# Altium PCB GN-1876-HI3519AV100_V1.PCBDOC (part 5 of 6)
Units mil, origin at the board's own origin, x right, y up, seen from the top; angles counter-clockwise.
Board outline 3755 x 2651.95 mil, 4 copper layers (Top Layer, Mid-Layer 1, Mid-Layer 2, Bottom Layer); 463 components, 378 nets, 2062 pads, 1225 vias.
Unrouted connection lines stored in the file: 13.
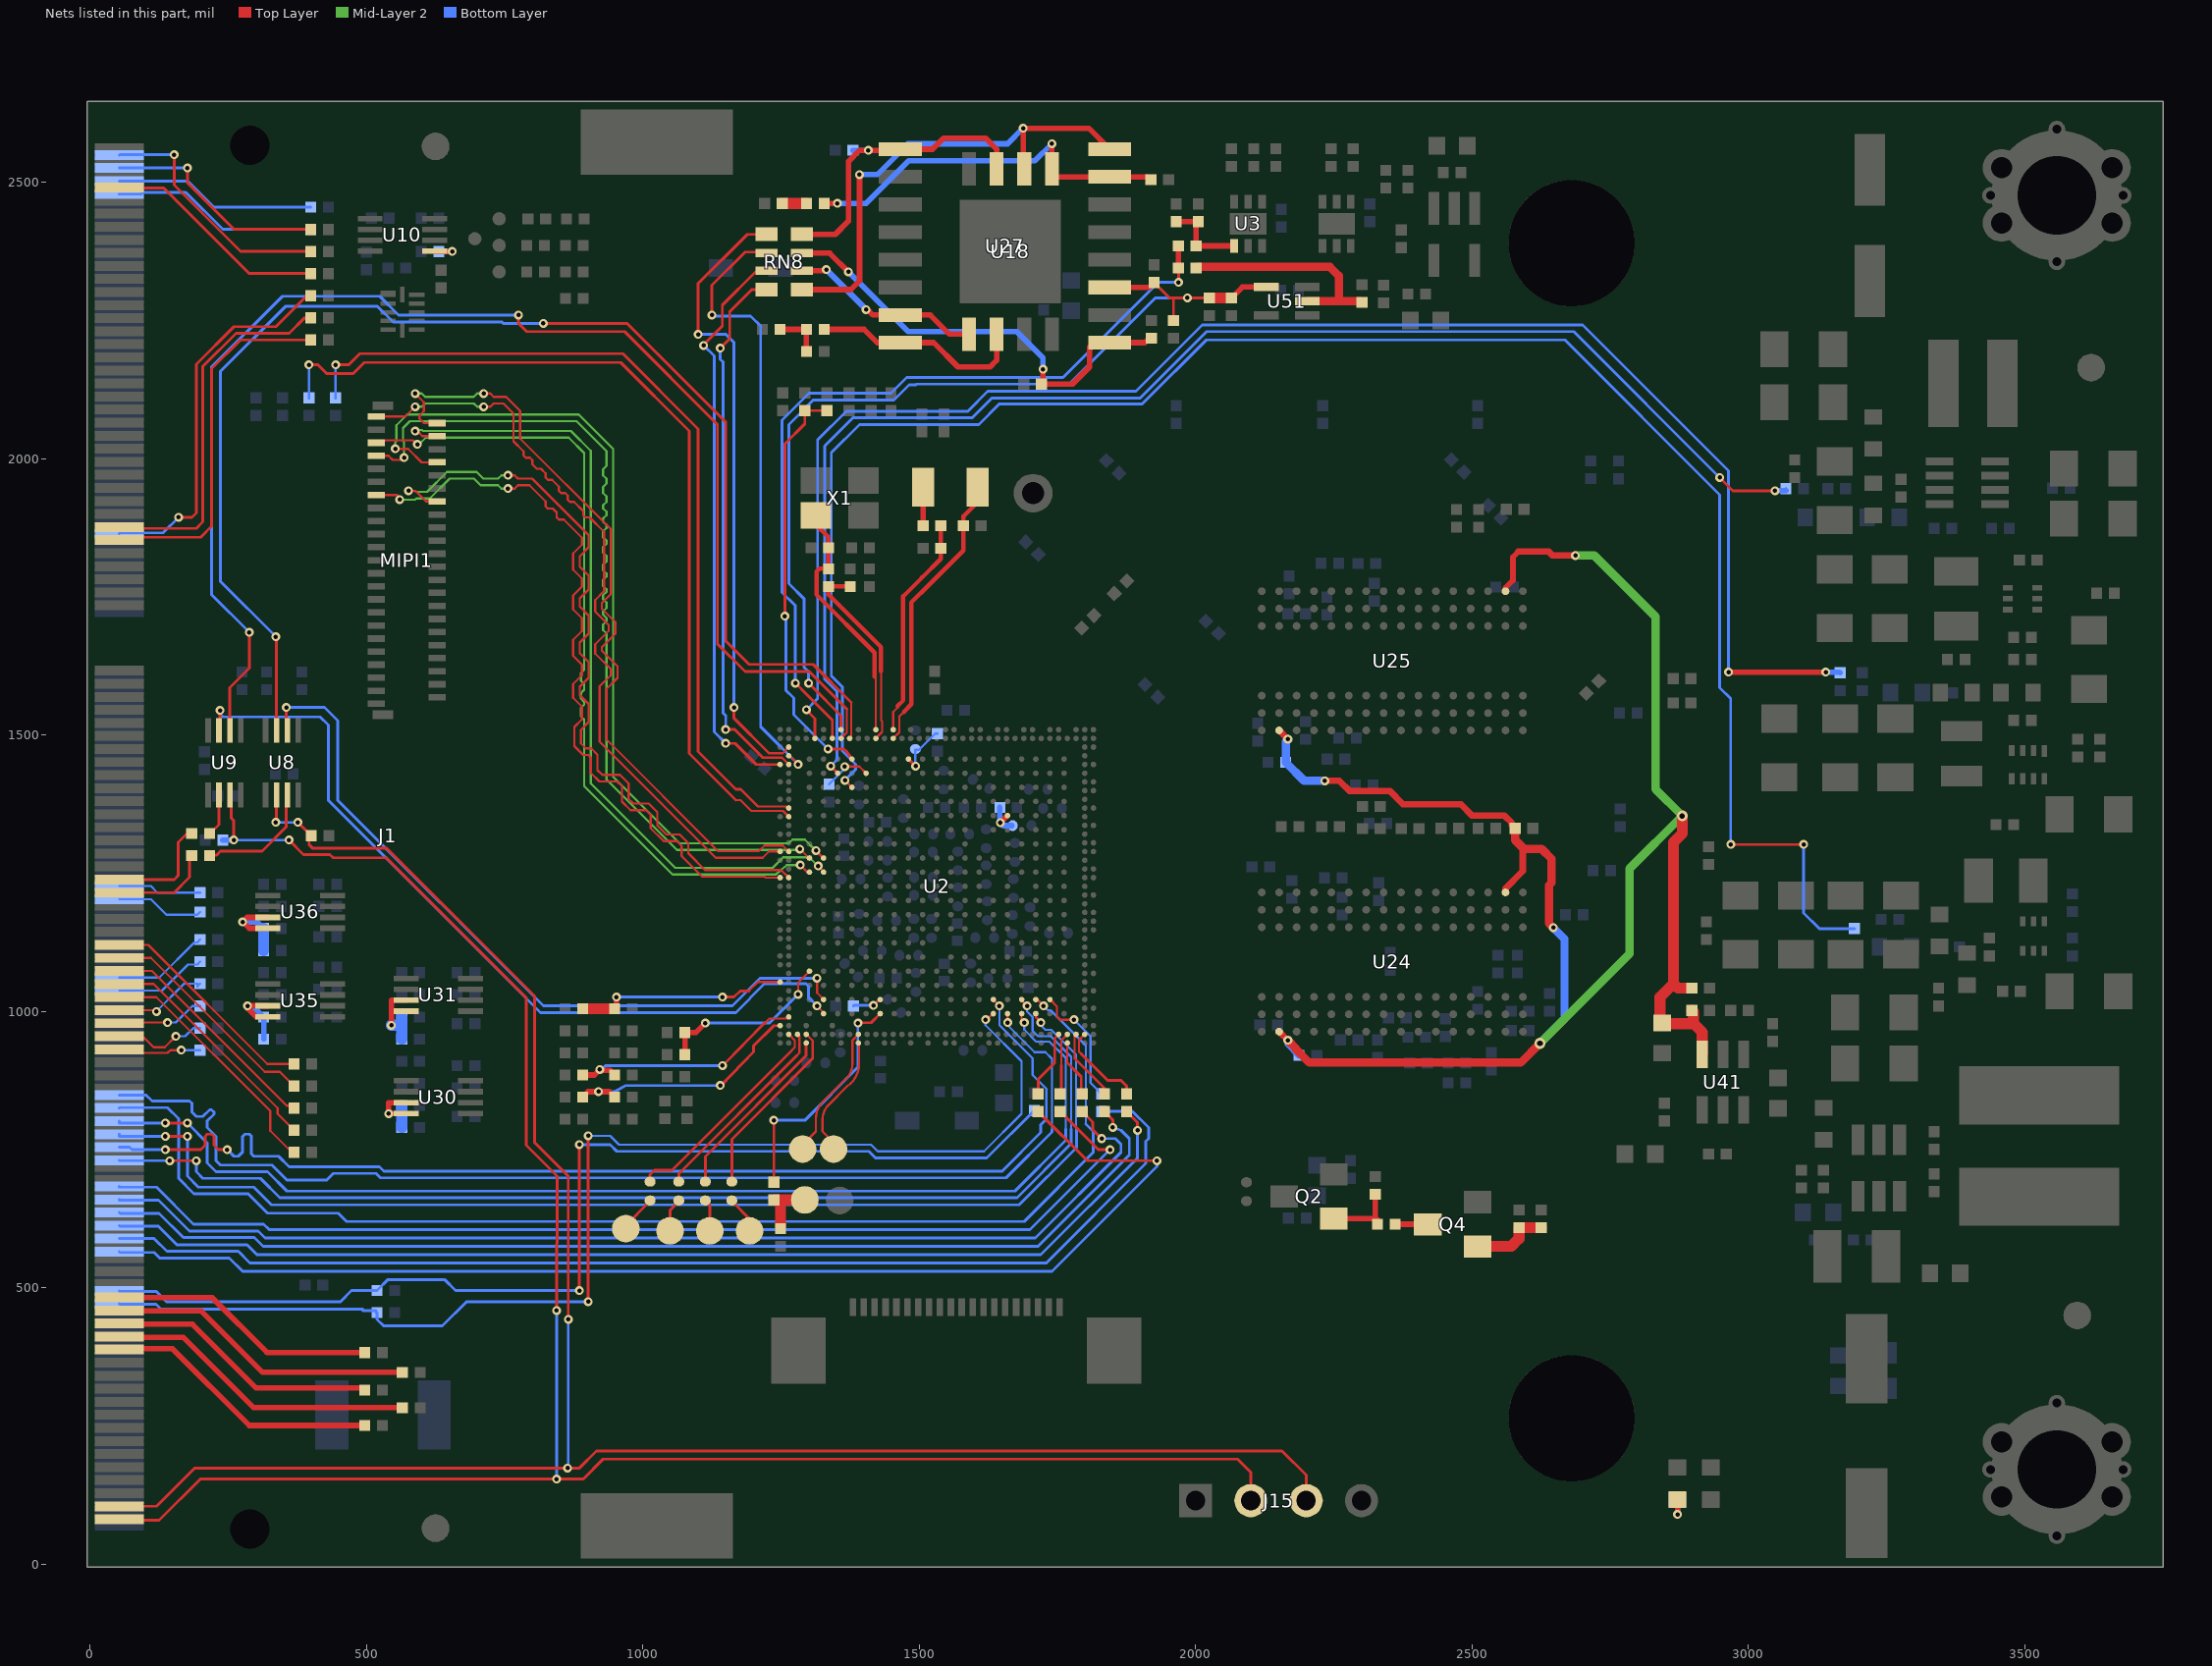
[diagram p7: the nets of this part, all layers, seen from the top]

## Via types
v1: diameter 16, hole 8, Top Layer to Bottom Layer, 733 vias
v2: diameter 20, hole 10, Top Layer to Bottom Layer, 362 vias
v3: diameter 18, hole 8, Top Layer to Bottom Layer, 100 vias
v4: diameter 36, hole 16, Top Layer to Bottom Layer, 30 vias

## Nets (pads, with @x,y where several pads share a name; then routed paths per layer and width w, separated by ;. In a path a pad name is that pad's centre, name@x,y a point inside that pad or via, vN(x,y) a via of type N, cw(c..) or ccw(c..) an arc to the next point about the centre after c; other vN are vias at no path point) (continued)
M2_D0M: MIPI1.41 U2.1W9 | length 1500.7
  Top Layer w4: MIPI1.41@517.67,2029.16 528.99,2029.16 533.49,2033.66 584,2033.66 591.5,2026.16 v1(592,2026.16) ; v1(1285,1265) 1297.91,1252.09 U2.1W9@1301.38,1252.09
  Mid-Layer 2 w4: v1(592,2026.16) 595.6,2026.76 607.3,2038.46 866,2038.46 894,2010.46 894,1618.16 888,1612.16 888,1598.16 894,1592.16 894,1582.16 888,1576.16 888,1566.16 894,1560.16 894,1555.16 888,1549.16 888,1534.16 894,1528.16 894,1407.67 1053.51,1248.16 1241,1248.16 1260,1265 v1(1285,1265)
M2_D0P: MIPI1.42 U2.1V9 | length 1496.6
  Top Layer w4: v1(588,2050.16) 582.34,2053.08 591,2046.16 595.8,2046.16 600.99,2040.97 MIPI1.42@627.91,2040.97 ; v1(1317,1263.16) 1326.97,1253.19 U2.1V9@1326.97,1252.09
  Mid-Layer 2 w4: v1(588,2050.16) 588.52,2050.61 590.06,2052.16 600,2052.16 600.8,2051.58 601.93,2050.46 870,2050.46 906,2014.46 906,1412.64 1058.49,1260.16 1235,1260.16 1254,1279.16 1301,1279.16 v1(1317,1263.16)
M2_D1M: MIPI1.44 U2.AT15 | length 1430
  Top Layer w4: v1(588,2118.16) 604,2102.16 604,2086.16 596,2078.16 596,2072.59 604,2064.59 MIPI1.44@627.91,2064.59 ; v1(712,2118.16) 724,2118.16 730,2112.16 752.49,2112.16 778,2086.64 778,2036.64 942,1872.64 942,1755.67 926,1739.67 926,1728.64 950,1704.64 950,1683.67 926,1659.67 926,1652.64 954,1624.64 954,1603.67 934,1583.67 934,1492.16 1136,1290.16 1209.7,1290.16 1220,1300.46 1253,1300.46 U2.AT15@1263.97,1289.49
  Mid-Layer 2 w4: v1(588,2118.16) 600,2118.16 606,2112.16 694,2112.16 700,2118.16 v1(712,2118.16)
M2_D1P: MIPI1.45 U2.AU15 | length 1423
  Top Layer w4: MIPI1.45@517.67,2076.4 570.24,2076.4 v1(588,2094.16) ; v1(712,2094.16) 724,2094.16 730,2100.16 747.51,2100.16 766,2081.67 766,2031.67 784,2013.67 784,2006.16 788,2002.16 795.51,2002.16 800,1997.67 800,1990.16 808,1982.16 815.51,1982.16 824,1973.67 824,1966.16 828,1962.16 835.51,1962.16 848,1949.67 848,1942.16 852,1938.16 859.51,1938.16 864,1933.67 864,1926.16 868,1922.16 875.51,1922.16 892,1905.67 892,1898.16 896,1894.16 903.51,1894.16 930,1867.67 930,1760.64 914,1744.64 914,1723.67 938,1699.67 938,1688.64 914,1664.64 914,1647.67 942,1619.67 942,1608.64 922,1588.64 922,1488.16 1132,1278.16 1216.67,1278.16 1228,1289.49 U2.AU15@1248.23,1289.49
  Mid-Layer 2 w4: v1(588,2094.16) 600,2094.16 606,2100.16 694,2100.16 700,2094.16 v1(712,2094.16)
M2_D2M: MIPI1.32 U2.AT18 | length 1423.7
  Top Layer w4: v1(576,1942.16) 588.7,1942.16 608,1922.86 MIPI1.32@627.91,1922.86 ; v1(756,1970.16) 768,1970.16 774,1964.16 799.87,1964.16 902,1862.03 902,1839.67 886,1823.67 886,1804.64 902,1788.64 902,1763.67 886,1747.67 886,1732.64 902,1716.64 902,1683.67 886,1667.67 886,1648.64 902,1632.64 902,1603.67 886,1587.67 886,1572.64 902,1556.64 902,1523.67 888,1509.67 888,1485.13 896.97,1476.16 906.49,1476.16 918,1464.64 918,1436.64 926.49,1428.16 958.49,1428.16 974,1412.64 974,1384.64 982.49,1376.16 1010.49,1376.16 1026,1360.64 1026,1336.64 1042.49,1320.16 1066.49,1320.16 1082,1304.64 1082,1286.4 1112.24,1256.16 1250.06,1256.16 U2.AT18@1263.97,1242.25
  Mid-Layer 2 w4: v1(576,1942.16) 588,1942.16 590,1940.16 609.51,1940.16 645.51,1976.16 699.37,1976.16 711.37,1964.16 738,1964.16 744,1970.16 v1(756,1970.16)
M2_D2P: MIPI1.33 U2.AU18 | length 1417
  Top Layer w4: MIPI1.33@517.67,1934.67 555.49,1934.67 556,1934.16 v1(560,1926.16) ; v1(756,1946.16) 768,1946.16 774,1952.16 794.9,1952.16 824,1923.06 824,1914.16 828,1910.16 836.9,1910.16 844,1903.06 844,1894.16 848,1890.16 856.9,1890.16 890,1857.06 890,1844.64 874,1828.64 874,1799.67 890,1783.67 890,1768.64 874,1752.64 874,1727.67 890,1711.67 890,1688.64 874,1672.64 874,1643.67 890,1627.67 890,1608.64 874,1592.64 874,1567.67 890,1551.67 890,1528.64 876,1514.64 876,1480.16 892,1464.16 901.51,1464.16 906,1459.67 906,1431.67 921.51,1416.16 953.51,1416.16 962,1407.67 962,1379.67 977.51,1364.16 1005.51,1364.16 1014,1355.67 1014,1331.67 1037.51,1308.16 1061.51,1308.16 1070,1299.67 1070,1281.43 1107.27,1244.16 1220,1244.16 1221.91,1242.25 U2.AU18@1248.23,1242.25
  Mid-Layer 2 w4: v1(560,1926.16) 588,1926.16 590,1928.16 614.49,1928.16 650.49,1964.16 694.4,1964.16 706.4,1952.16 738,1952.16 744,1946.16 v1(756,1946.16)
M2_D3M: MIPI1.38 U2.1V8 | length 1596.3
  Top Layer w4: v1(552,2018.16) 575.57,2018.16 600,1993.72 MIPI1.38@627.91,1993.72 ; v1(1313,1291.16) 1326.48,1277.68 U2.1V8@1326.97,1277.68
  Mid-Layer 2 w4: v1(552,2018.16) 552,2030.16 554,2032.16 554,2060.64 573.51,2080.16 884,2080.16 946,2018.16 946,1424.64 1066.49,1304.16 1263.84,1304.16 1270.84,1311.16 1293,1311.16 v1(1313,1291.16)
M2_D3P: MIPI1.39 U2.1W8 | length 1584.2
  Top Layer w4: MIPI1.39@517.67,2005.53 540,2005.53 547.38,1998.16 568,1998.16 v1(568,2002.16) ; v1(1284,1294) 1300,1278 1301.06,1278 U2.1W8@1301.38,1277.68
  Mid-Layer 2 w4: v1(568,2002.16) 568,2030.16 566,2032.16 566,2055.67 578.49,2068.16 880,2068.16 934,2014.16 934,1987.16 928,1981.16 928,1970.16 934,1964.16 934,1955.16 928,1949.16 928,1938.16 934,1932.16 934,1922.16 928,1916.16 928,1910.16 934,1904.16 934,1898.16 928,1892.16 928,1886.16 934,1880.16 934,1875.16 928,1869.16 928,1858.16 934,1852.16 934,1846.16 928,1840.16 928,1830.16 934,1824.16 934,1814.16 928,1808.16 928,1798.16 934,1792.16 934,1787.16 928,1781.16 928,1770.16 934,1764.16 934,1759.16 928,1753.16 928,1746.16 934,1740.16 934,1730.16 928,1724.16 928,1718.16 934,1712.16 934,1706.16 928,1700.16 928,1690.16 934,1684.16 934,1419.67 1061.51,1292.16 1282.16,1292.16 v1(1284,1294)
MDCK: J1.168 R14.1 R54.2 | length 1997.4
  Top Layer w5.1: v1(885,495.16) v1(885,759.16)
  Bottom Layer w5.1: J1.168@53,494.63 54.4,493.23 120,493.23 138.07,475.16 453,475.16 473,495.16 R14.1@519,495.16 539,515.16 641,515.16 661,495.16 v1(885,495.16) ; v1(885,759.16) 941,759.16 953,747.16 1409,747.16 1421,735.16 1622.26,735.16 R54.2@1708,820.9
MDIO: J1.170 R13.1 U2.1F19 | length 2232.5
  Top Layer w4: v1(1620,985.16) 1634.05,995.16 U2.1F19@1634.05,996.19
  Top Layer w5.1: v1(901,475.16) v1(901,775.16)
  Bottom Layer w4: v1(901,775.16) 941,775.16 957,759.16 1413,759.16 1425,747.16 1617,747.16 1685,815.16 1685,910.16 1620,975.16 v1(1620,985.16)
  Bottom Layer w5.1: J1.170@53,471.01 53.85,470.16 119.45,470.16 128,461.61 493,461.61 493,459.16 517,459.16 517,455.16 R13.1@519,455.16 519,443.16 531,431.16 637,431.16 681,475.16 v1(901,475.16)
N28202: R196.2 U2.1R2 | length 87.3
  Top Layer w4: v1(1365,1443.16) 1391.8,1443.16 U2.1R2@1403.74,1431.22
  Bottom Layer w4: R196.2@1337,1411.16 1365,1439.16 v1(1365,1443.16)
N1874918: Q4.3 R12.2 | length 59
  Top Layer w10: R12.2@2361,615.16 Q4.3@2420,615.16
N1874930: Q4.1 R18.1 R26.2 | length 140.8
  Top Layer w20: Q4.1@2510,575.16 2571,575.16 2585,589.16 R26.2@2585,609.16 R18.1@2625,609.16
N1875006: Q2.1 R11.2 R12.1 | length 133.8
  Top Layer w10: Q2.1@2250,625.16 2325,625.16 ; R11.2@2325,669.16 2325,625.16 ; R12.1@2329,615.16 2329,623.16 2327,625.16 ; 2325,625.16 2327,625.16 ; 2325,625.16 2327,625.16
N7442172: J1.59 R377.1 | length 669.4
  Top Layer w5.1: J1.59@53,1876.52 55.36,1874.16 192,1874.16 204,1886.16 204,2167.16 264,2227.16 360,2227.16 388,2255.16 R377.1@399,2255.16
N7442176: J1.61 R378.1 | length 663
  Top Layer w5.1: J1.61@53,1852.9 58.26,1858.16 200,1858.16 220,1878.16 220,2163.16 272,2215.16 R378.1@399,2215.16
N7442208: J1.105 R390.2 | length 200.7
  Top Layer w5.1: J1.105@53,1238.72 152,1238.72 159.43,1246.16 159.43,1306.16 175.43,1322.16 R390.2@184,1322.16
N7442212: J1.107 R380.2 | length 179.3
  Top Layer w5.1: J1.107@53,1215.1 152,1215.1 180,1243.1 180,1278.16 R380.2@184,1282.16
N7442216: J1.7 R425.2 | length 410.4
  Top Layer w5.1: J1.7@53,2490.69 53.53,2490.16 133,2490.16 288,2335.16 R425.2@399,2335.16
N7442228: J1.115 R423.2 | length 405.2
  Top Layer w4: J1.115@53,1120.61 105,1120.61 320.46,905.16 R423.2@369,905.16
N7442232: J1.117 R416.2 | length 412
  Top Layer w4: J1.117@53,1096.99 110,1096.99 315.92,891.07 343.08,891.07 R416.2@369,865.16
N7442240: J1.119 R419.2 | length 421.4
  Top Layer w4: J1.119@53,1073.37 111.79,1073.37 355.5,829.66 369,829.66 R419.2@369,825.16
N7442248: J1.121 R382.2 | length 431.8
  Top Layer w4: J1.121@53,1049.75 115,1049.75 339.29,825.45 339.29,814.86 R382.2@369,785.16
N7442256: J1.123 R415.2 | length 453.4
  Top Layer w4: J1.123@53,1026.12 120,1026.12 325.97,820.16 325.97,784.19 365,745.16 R415.2@369,745.16
N7442408: J1.125 R410.2 | length 174
  Top Layer w4: J1.125@53,1002.5 117.66,1002.5 v1(120,1000.16)
  Bottom Layer w4: v1(120,1000.16) 170,1050.16 194.5,1050.16 194.5,1045.66 R410.2@199,1050.16
N7442596: J1.129 R417.2 | length 168.8
  Top Layer w4: J1.129@53,955.26 53.1,955.16 95,955.16 115,935.16 135,935.16 v1(155,955.16)
  Bottom Layer w4: v1(155,955.16) 171.88,955.16 186.88,970.16 R417.2@199,970.16
N7442674: J1.127 R392.2 | length 159
  Top Layer w4: J1.127@53,978.88 54.28,980.16 v1(140,980.16)
  Bottom Layer w4: v1(140,980.16) 155,980.16 185,1010.16 R392.2@199,1010.16
N7442724: J1.131 R393.2 | length 153.7
  Top Layer w4: J1.131@53,931.64 54.48,930.16 90,930.16 90,925.16 140,925.16 145,930.16 v1(165,930.16)
  Bottom Layer w4: v1(165,930.16) R393.2@199,930.16
N7442778: J1.108 R379.2 | length 159.7
  Bottom Layer w4: J1.108@53,1203.29 110,1203.29 138.13,1175.16 194,1175.16 R379.2@199,1180.16
N7442788: J1.106 R394.2 | length 150.9
  Bottom Layer w4: J1.106@53,1226.91 110,1226.91 121.75,1215.16 R394.2@199,1215.16
N7442808: J1.60 R376.1 | length 681.9
  Top Layer w5.1: v1(160,1894.16) 184,1894.16 192,1902.16 192,2171.16 260,2239.16 336,2239.16 392,2295.16 R376.1@399,2295.16
  Bottom Layer w5.1: J1.60@53,1864.71 54.45,1866.16 132,1866.16 v1(160,1894.16)
N7442844: J1.120 R391.2 | length 174.4
  Bottom Layer w4: J1.120@53,1061.56 125,1061.56 188.6,1125.16 194,1125.16 R391.2@199,1130.16
N7442854: J1.122 R381.2 | length 167.6
  Bottom Layer w4: J1.122@53,1037.94 130,1037.94 177.22,1085.16 194,1085.16 R381.2@199,1090.16
N7442894: J1.8 R375.2 | length 375.7
  Bottom Layer w5.1: J1.8@53,2478.88 91.28,2478.88 92,2478.16 96,2482.16 173,2482.16 240,2415.16 R375.2@399,2415.16
N7442898: J1.6 R374.2 | length 365.6
  Bottom Layer w5.1: J1.6@53,2502.5 53.34,2502.16 177,2502.16 224,2455.16 R374.2@399,2455.16
N7442902: J1.4 R373.2 | length 407.8
  Top Layer w5.1: v1(176,2526.16) 176,2499.16 260,2415.16 R373.2@399,2415.16
  Bottom Layer w5.1: J1.4@53.03,2526.16 v1(176,2526.16)
N7442906: J1.2 R426.2 | length 450.9
  Top Layer w5.1: v1(152,2550.16) 152,2495.16 272,2375.16 R426.2@399,2375.16
  Bottom Layer w5.1: J1.2@53,2549.75 53.41,2550.16 v1(152,2550.16)
N7442910: J1.177 R409.2 | length 502.3
  Top Layer w10: J1.177@53,388.33 54.83,390.16 149,390.16 288,251.16 R409.2@497,251.16
N7442918: J1.175 R405.2 | length 565.3
  Top Layer w10: J1.175@53,411.95 54.79,410.16 169,410.16 296,283.16 R405.2@565,283.16
N7442926: J1.173 R422.2 | length 493.9
  Top Layer w10: J1.173@53,435.57 54.42,434.16 185,434.16 300,319.16 493,319.16 R422.2@497,315.16
N7442934: J1.171 R406.2 | length 558.4
  Top Layer w10: J1.171@53,459.2 54.04,458.16 201,458.16 312,347.16 R406.2@565,347.16
N7442942: J1.169 R424.2 | length 485.3
  Top Layer w10: J1.169@53,482.82 53.66,482.16 221,482.16 320,383.16 R424.2@497,383.16
N7501251: C183.1 R255.2 U30.7 U30.8 | length 147.3
  Top Layer w10: v1(540,815.16) v1@540,815.63 ; U30.8@571.59,815.63 v1@540,815.63 ; U30.7@571.59,835.32 540,835.32 v1@540,815.63
  Bottom Layer w10: v1(540,815.16) 564,815.16
  Bottom Layer w20: C183.1@564,790.16 564,815.16 R255.2@564,830.16
N7507071: C185.1 R256.2 U31.7 U31.8 | length 157.3
  Top Layer w10: v1(545,975.16) 545,1000.63 ; U31.8@571.59,1000.63 545,1000.63 ; U31.7@571.59,1020.32 545,1020.32 545,1000.63
  Bottom Layer w20: v1(545,975.16) 564,975.16 ; R256.2@564,950.16 564,975.16 ; C185.1@564,990.16 564,975.16
N7507900: C192.1 R257.2 U35.7 U35.8 | length 161.3
  Top Layer w10: U35.8@321.59,990.63 300,990.63 285.47,1005.16 285.47,1009.69 v1(285,1010.16) 285.16,1010.32 U35.7@321.59,1010.32
  Bottom Layer w10: v1(285,1010.16) 294,1010.16 R257.2@314,990.16 C192.1@314,950.16
N7508760: C201.1 R258.2 U36.7 U36.8 | length 182.3
  Top Layer w10: U36.8@321.59,1150.63 288,1150.63 276.47,1162.16 v1(276,1162.16) 284,1170.16 321.43,1170.16 U36.7@321.59,1170.32
  Bottom Layer w10: v1(276,1162.16) 302,1162.16 C201.1@314,1150.16
  Bottom Layer w20: R258.2@314,1110.16 C201.1@314,1150.16
N7510160: R120.1 U2.AT10 | length 1570.8
  Top Layer w4: 1177,1402.16 1208,1371.16 1261.04,1371.16 U2.AT10@1263.97,1368.23
  Top Layer w5.1: v1(444,2170.16) 468,2170.16 488,2190.16 964,2190.16 1100,2054.16 1100,1470.16 1168,1402.16 1177,1402.16
  Bottom Layer w5.1: R120.1@444,2110.16 v1(444,2170.16)
N7510206: R121.1 U2.AT11 | length 1624.7
  Top Layer w4: 1168.5,1382.66 1176.5,1382.66 1196,1363.16 1253.29,1363.16 U2.AT11@1263.97,1352.48
  Top Layer w5.1: v1(396,2170.16) 412,2170.16 428,2154.16 476,2154.16 496,2174.16 960,2174.16 1084,2050.16 1084,1467.16 1168.5,1382.66
  Bottom Layer w5.1: R121.1@396,2110.16 v1(396,2170.16)
N7538365: R370.1 U10.5 | length 55.9
  Top Layer w10: U10.5@623.41,2375.63 624.04,2375 v1(655,2375)
  Bottom Layer w10: R370.1@631,2375.16 654.84,2375.16 v1(655,2375)
N7552302: R88.2 X2.2 | length 70.2
  Top Layer w10: X2.2@1506.79,1948.9 1507,1948.9 R88.2@1507,1878.9
N7590478: LED2.1 R5.2 | length 54
  Top Layer w10: v1(2872,90.16) LED2.1@2872,117.16
  Bottom Layer w10: v1(2872,90.16) R5.2@2872,117.16
N7658828: R253.2 R254.1 U5V.1 | length 115.3
  Top Layer w4: U5V.1@1285,659.16 U5V.1@1293,659.16
  Top Layer w20: R254.1@1249,607.16 1249,651.16 R253.2@1241,659.16 ; U5V.1@1285,659.16 R253.2@1241,659.16 ; R253.2@1241,659.16 R253.2@1237,659.16 R253.2@1241,659.16
N7660394: A1.1 C313.2 | length 56.8
  Top Layer w5.1: C313.2@1113,656.66 1121,648.66 A1.1@1121,603.16
N7660406: A2.1 C314.2 | length 66.8
  Top Layer w5.1: C314.2@1161,656.66 1193,624.66 A2.1@1193,603.16
N7660489: AOUT1.1 C315.2 | length 67.7
  Top Layer w5.1: AOUT1.1@969,607.16 969,612.66 C315.2@1013,656.66
N7660523: AOUT2.1 C316.2 | length 60.1
  Top Layer w5.1: AOUT2.1@1049,603.16 1049,640.66 C316.2@1065,656.66
N7660982: C313.1 U2.AP37 | length 325
  Top Layer w5.1: C313.1@1113,693.66 1113,737.69 1295.47,920.16 U2.AP37@1295.47,943.04
N7661024: C314.1 U2.AP36 | length 330.4
  Top Layer w4: U2.AP36@1295.47,958.78 1307.09,947.16 1307.09,915.16
  Top Layer w5.1: C314.1@1161,693.66 1161,769.07 1307.09,915.16
N7661062: C315.1 U2.AT36 | length 397
  Top Layer w4: U2.AT36@1263.97,958.78 1275,947.75 1275,935.16 1265,925.16
  Top Layer w5.1: C315.1@1013,693.66 1013,705.16 1021,713.16 1053,713.16 1265,925.16
N7661096: C316.1 U2.AR36 | length 357.1
  Top Layer w4: 1278.34,920.16 1283.34,925.16 1283.34,955.16 U2.AR36@1279.72,958.78
  Top Layer w5.1: C316.1@1065,693.66 1065,706.82 1278.34,920.16
NF_DQ4/SFC_MISO_IO1: RN8.4 U2.AT5 | length 990.8
  Top Layer w4: 1231.02,1459.24 1251.7,1459.24 U2.AT5@1263.97,1446.97
  Top Layer w5.1: v1(1140,2200.16) 1157.2,2217.36 1157.2,2266.16 1197.2,2306.16 RN8.4@1224,2306.16 ; v1(1150,1510.16) 1166.08,1510.16 1217,1459.24 1231.02,1459.24
  Bottom Layer w5.1: v1(1140,2200.16) 1140,2180.16 1145,2175.16 1145,1540.16 1150,1535.16 v1(1150,1510.16)
NF_DQ5/SFC_MOSI_IO0: RN8.3 U2.AU5 | length 1043.6
  Top Layer w5.1: v1(1110,2205.16) 1110,2206.46 1143.7,2240.16 1143.7,2278.16 1203.7,2338.16 1222,2338.16 RN8.3@1224,2340.16 ; v1(1150,1485.16) 1166.81,1485.16 1205,1446.97 U2.AU5@1248.23,1446.97
  Bottom Layer w5.1: v1(1110,2205.16) 1129,2186.16 1129,1506.16 v1(1150,1485.16)
NF_DQ6/SFC_HOLD_IO3: RN8.2 U2.AT4 | length 1119.6
  Top Layer w4: U2.AT4@1263.97,1462.72 1265.44,1462.72 v1(1281,1447.16)
  Top Layer w5.1: v1(1125,2260.16) 1125,2314.16 1185,2374.16 1222,2374.16 RN8.2@1224,2372.16
  Bottom Layer w5.1: v1(1125,2260.16) 1127,2258.16 1195,2258.16 1213,2240.16 1213,1515.16 v1(1281,1447.16)
NF_DQ7/SFC_WP_IO2: RN8.1 U2.AT3 | length 1133.3
  Top Layer w4: 1228,1467.5 1253,1467.5 U2.AT3@1263.97,1478.47
  Top Layer w5.1: v1(1100,2225.16) 1100,2317.16 1189,2406.16 RN8.1@1224,2406.16 ; v1(1165,1550.16) 1165,1530.5 1228,1467.5
  Bottom Layer w5.1: v1(1100,2225.16) 1150,2225.16 1165,2210.16 v1(1165,1550.16)
NF_REN/SFC_CLK: R99.1 R408.1 R505.2 | length 88
  Top Layer w10: R505.2@1248,2234.16 R99.1@1296,2234.16 R408.1@1296,2194.16
NF_WEN/SFC_CSN0: R92.2 R97.1 | length 44
  Top Layer w20: R92.2@1252,2462.16 R97.1@1296,2462.16
PCIE_DEEMPH_SEL: R413.1 R522.2 U2.AU30 | length 389.5
  Top Layer w4: 1192,1037.27 1208,1053.27 U2.AU30@1248.23,1053.27
  Top Layer w5.1: v1(1144,1026.16) 1164.89,1026.16 1176,1037.27 1192,1037.27
  Top Layer w10: R413.1@949,1005.16 952,1005.16 v1(952,1026.16)
  Top Layer w20: R522.2@891,1005.16 R413.1@949,1005.16
  Bottom Layer w5.1: v1(952,1026.16) v1(1144,1026.16)
PCIE_REFCLK_SEL: R412.1 R525.2 U2.1W16 | length 323.8
  Top Layer w4: v1(1281,1031.16) 1281,1052.58 U2.1W16@1301.38,1072.96
  Top Layer w10: R525.2@1076,922.16 R412.1@1076,962.16 1096,962.16 v1(1113,979.16)
  Bottom Layer w5.1: v1(1113,979.16) 1229,979.16 v1(1281,1031.16)
PCIE_USB3_MODE: R414.1 R523.2 U2.AU35 | length 449.1
  Top Layer w5.1: v1(1140,866.16) 1141,866.16 1200.47,926.63 1200.47,938 1237,974.53 U2.AU35@1248.23,974.53